# EAGLE board Mk4 Final Panel 8up 4x2 (EAGLE 9.0.1), part 10 of 23
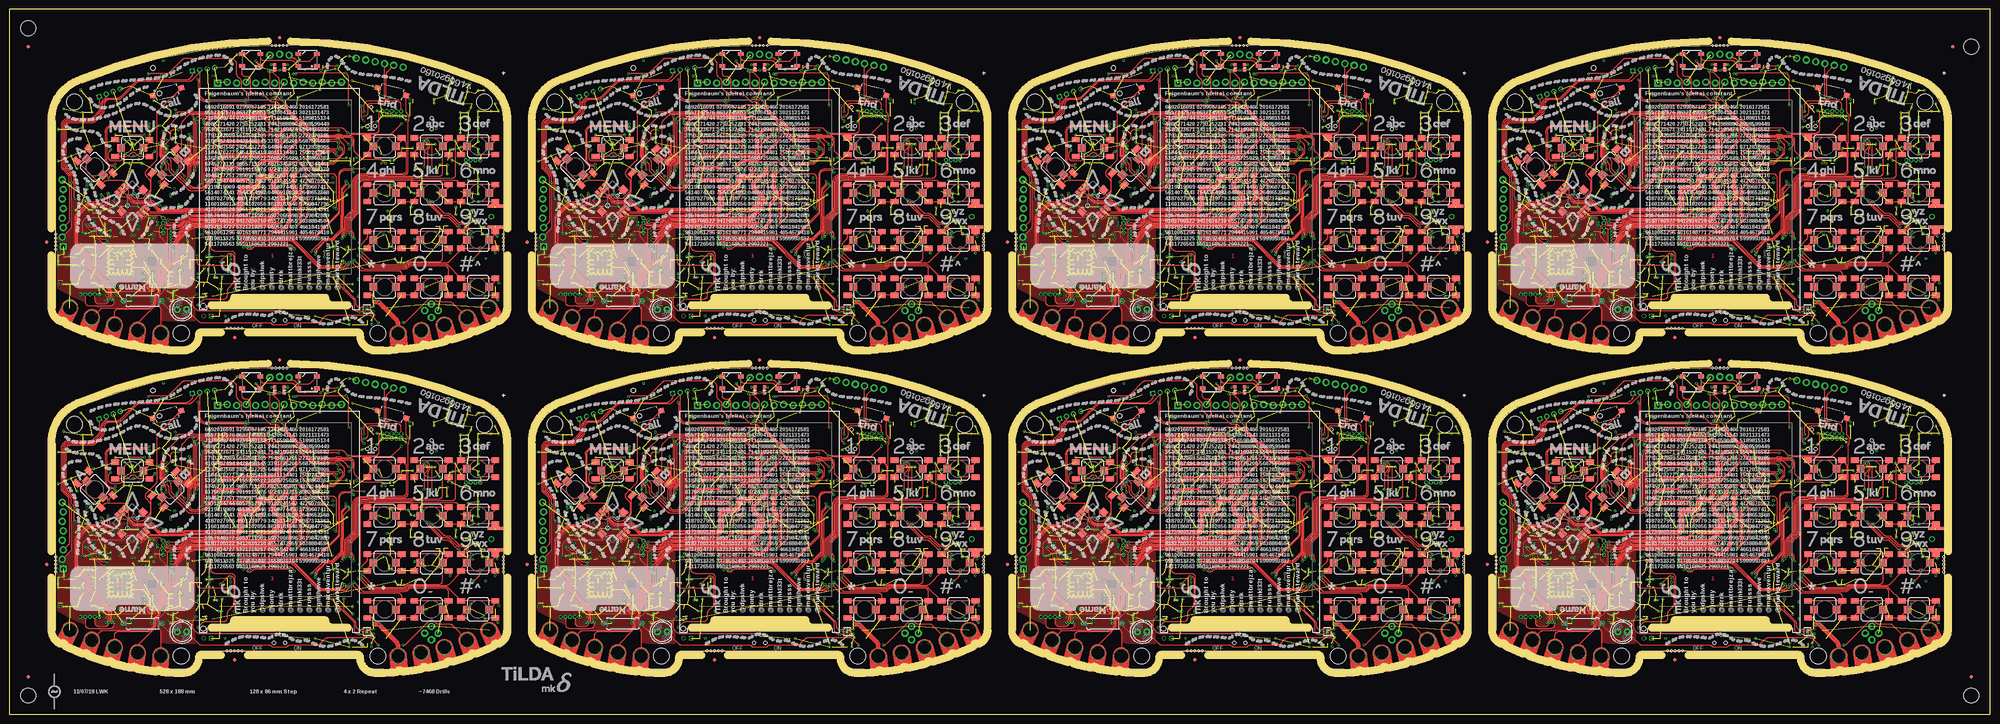
[diagram p0: board, top side]
## Tracks (layer width: path | path; a pad name or v marks a point on that pad's centre or on a via) (continued)
DCDC_PA_SW_N3 (continued)
  Bottom 0.3: 158.75,127.7 158.75,127.76 159,128.01 159,130 159.1,130.1
  Bottom 0.5: 159.1,130.1 159.1,131.59 arc45 158.95,131.95 158.3,132.6 L35.1
DCDC_PA_SW_N4
  Bottom 0.25: IC83.41 285.75,40.29 arc-45 286.04,40.99 286.75,41.7
  Bottom 0.3: 286.75,41.7 286.75,41.76 287,42.01 287,44 287.1,44.1
  Bottom 0.5: 287.1,44.1 287.1,45.59 arc45 286.95,45.95 286.3,46.6 L44.1
DCDC_PA_SW_N5
  Bottom 0.25: IC101.41 413.75,40.29 arc-45 414.04,40.99 414.75,41.7
  Bottom 0.3: 414.75,41.7 414.75,41.76 415,42.01 415,44 415.1,44.1
  Bottom 0.5: 415.1,44.1 415.1,45.59 arc45 414.95,45.95 414.3,46.6 L53.1
DCDC_PA_SW_N6
  Bottom 0.25: IC119.41 285.75,126.29 arc-45 286.04,126.99 286.75,127.7
  Bottom 0.3: 286.75,127.7 286.75,127.76 287,128.01 287,130 287.1,130.1
  Bottom 0.5: 287.1,130.1 287.1,131.59 arc45 286.95,131.95 286.3,132.6 L62.1
DCDC_PA_SW_N7
  Bottom 0.25: IC137.41 413.75,126.29 arc-45 414.04,126.99 414.75,127.7
  Bottom 0.3: 414.75,127.7 414.75,127.76 415,128.01 415,130 415.1,130.1
  Bottom 0.5: 415.1,130.1 415.1,131.59 arc45 414.95,131.95 414.3,132.6 L71.1
DCDC_PA_SW_P
  Bottom 0.25: IC15.40 29.25,40.55 arc-45 29.54,41.26 30.25,41.97 30.45,42.17
  Bottom 0.4: L8.2 30.45,44.4 30.45,42.17
DCDC_PA_SW_P1
  Bottom 0.25: IC29.40 157.25,40.55 arc-45 157.54,41.26 158.45,42.17
  Bottom 0.4: L17.2 158.45,44.4 158.45,42.17
DCDC_PA_SW_P2
  Bottom 0.25: IC47.40 29.25,126.55 arc-45 29.54,127.26 30.45,128.17
  Bottom 0.4: L26.2 30.45,130.4 30.45,128.17
DCDC_PA_SW_P3
  Bottom 0.25: IC65.40 157.25,126.55 arc-45 157.54,127.26 158.45,128.17
  Bottom 0.4: L35.2 158.45,130.4 158.45,128.17
DCDC_PA_SW_P4
  Bottom 0.25: IC83.40 285.25,40.55 arc-45 285.54,41.26 286.45,42.17
  Bottom 0.4: L44.2 286.45,44.4 286.45,42.17
DCDC_PA_SW_P5
  Bottom 0.25: IC101.40 413.25,40.55 arc-45 413.54,41.26 414.45,42.17
  Bottom 0.4: L53.2 414.45,44.4 414.45,42.17
DCDC_PA_SW_P6
  Bottom 0.25: IC119.40 285.25,126.55 arc-45 285.54,127.26 286.45,128.17
  Bottom 0.4: L62.2 286.45,130.4 286.45,128.17
DCDC_PA_SW_P7
  Bottom 0.25: IC137.40 413.25,126.55 arc-45 413.54,127.26 414.45,128.17
  Bottom 0.4: L71.2 414.45,130.4 414.45,128.17
EN0RXI_N
  Bottom 0.22: IC1.53 63.41,66.8 63.4,66.81 61.1,66.81 arc-90 58.81,69.1 58.81,69.3 58.81,76.8 arc-90 62.2,80.19 68.3,80.19 arc90 69.22,81.1 69.22,81.6 JP7.6
EN0RXI_N1
  Bottom 0.22: IC20.53 191.42,66.8 191.4,66.81 189.1,66.81 arc-90 186.81,69.1 186.81,76.8 arc-90 190.2,80.19 196.3,80.19 arc90 197.22,81.1 197.22,81.6 JP12.6
EN0RXI_N2
  Bottom 0.22: IC38.53 63.41,152.8 63.4,152.81 61.1,152.81 arc-90 58.81,155.1 58.81,162.8 arc-90 62.2,166.19 68.3,166.19 arc90 69.22,167.1 69.22,167.6 JP21.6
EN0RXI_N3
  Bottom 0.22: IC56.53 191.42,152.8 191.4,152.81 189.1,152.81 arc-90 186.81,155.1 186.81,162.8 arc-90 190.2,166.19 196.3,166.19 arc90 197.22,167.1 197.22,167.6 JP30.6
EN0RXI_N4
  Bottom 0.22: IC74.53 319.41,66.8 319.4,66.81 317.1,66.81 arc-90 314.81,69.1 314.81,76.8 arc-90 318.2,80.19 324.3,80.19 arc90 325.22,81.1 325.22,81.6 JP39.6
EN0RXI_N5
  Bottom 0.22: IC92.53 447.42,66.8 447.4,66.81 445.1,66.81 arc-90 442.81,69.1 442.81,76.8 arc-90 446.2,80.19 452.3,80.19 arc90 453.21,81.1 453.21,81.6 JP48.6
EN0RXI_N6
  Bottom 0.22: IC110.53 319.41,152.8 319.4,152.81 317.1,152.81 arc-90 314.81,155.1 314.81,162.8 arc-90 318.2,166.19 324.3,166.19 arc90 325.22,167.1 325.22,167.6 JP57.6
EN0RXI_N7
  Bottom 0.22: IC128.53 447.42,152.8 447.4,152.81 445.1,152.81 arc-90 442.81,155.1 442.81,162.8 arc-90 446.2,166.19 452.3,166.19 arc90 453.21,167.1 453.21,167.6 JP66.6
EN0RXI_P
  Bottom 0.22: IC1.54 63.41,67.2 63.4,67.19 61.1,67.19 arc-90 59.19,69.1 59.19,69.28 59.19,69.3 59.19,76.8 arc-90 62.2,79.81 68.3,79.81 arc90 69.58,81.1 69.58,81.23 JP7.7
EN0RXI_P1
  Bottom 0.22: IC20.54 191.42,67.2 191.4,67.19 189.1,67.19 arc-90 187.19,69.1 187.19,76.8 arc-90 190.2,79.81 196.3,79.81 arc90 197.58,81.1 197.58,81.23 JP12.7
EN0RXI_P2
  Bottom 0.22: IC38.54 63.41,153.2 63.4,153.19 61.1,153.19 arc-90 59.19,155.1 59.19,162.8 arc-90 62.2,165.81 68.3,165.81 arc90 69.58,167.1 69.58,167.23 JP21.7
EN0RXI_P3
  Bottom 0.22: IC56.54 191.42,153.2 191.4,153.19 189.1,153.19 arc-90 187.19,155.1 187.19,162.8 arc-90 190.2,165.81 196.3,165.81 arc90 197.58,167.1 197.58,167.23 JP30.7
EN0RXI_P4
  Bottom 0.22: IC74.54 319.41,67.2 319.4,67.19 317.1,67.19 arc-90 315.19,69.1 315.19,76.8 arc-90 318.2,79.81 324.3,79.81 arc90 325.59,81.1 325.59,81.23 JP39.7
EN0RXI_P5
  Bottom 0.22: IC92.54 447.42,67.2 447.4,67.19 445.1,67.19 arc-90 443.19,69.1 443.19,76.8 arc-90 446.2,79.81 452.3,79.81 arc90 453.58,81.1 453.58,81.23 JP48.7
EN0RXI_P6
  Bottom 0.22: IC110.54 319.41,153.2 319.4,153.19 317.1,153.19 arc-90 315.19,155.1 315.19,162.8 arc-90 318.2,165.81 324.3,165.81 arc90 325.59,167.1 325.59,167.23 JP57.7
EN0RXI_P7
  Bottom 0.22: IC128.54 447.42,153.2 447.4,153.19 445.1,153.19 arc-90 443.19,155.1 443.19,162.8 arc-90 446.2,165.81 452.3,165.81 arc90 453.58,167.1 453.58,167.23 JP66.7
EN0TXO_N
  Bottom 0.22: IC1.56 63.41,68 63.4,68.02 61.25,68.02 arc-90 59.87,69.4 59.87,76.45 arc-90 62.6,79.19 68.61,79.19 arc45 69.32,79.48 70.53,80.69 arc-45 71.24,80.98 78.36,80.98 arc-45 79.07,80.69 80.03,79.73 arc45 80.74,79.44 83.15,79.44 arc90 84.52,80.8 84.52,81.54 JP7.12
EN0TXO_N1
  Bottom 0.22: IC20.56 191.42,68 191.4,68.02 189.25,68.02 arc-90 187.87,69.4 187.87,76.45 arc-90 190.6,79.19 196.61,79.19 arc45 197.32,79.48 198.53,80.69 arc-45 199.24,80.98 206.36,80.98 arc-45 207.07,80.69 208.03,79.73 arc45 208.74,79.44 211.15,79.44 arc90 212.51,80.8 212.51,81.54 JP12.12
EN0TXO_N2
  Bottom 0.22: IC38.56 63.41,154 63.4,154.01 61.25,154.01 arc-90 59.87,155.4 59.87,162.45 arc-90 62.6,165.19 68.61,165.19 arc45 69.32,165.48 70.53,166.69 arc-45 71.24,166.99 78.36,166.99 arc-45 79.07,166.69 80.03,165.73 arc45 80.74,165.44 83.15,165.44 arc90 84.52,166.8 84.52,167.54 JP21.12
EN0TXO_N3
  Bottom 0.22: IC56.56 191.42,154 191.4,154.01 189.25,154.01 arc-90 187.87,155.4 187.87,162.45 arc-90 190.6,165.19 196.61,165.19 arc45 197.32,165.48 198.53,166.69 arc-45 199.24,166.99 206.36,166.99 arc-45 207.07,166.69 208.03,165.73 arc45 208.74,165.44 211.15,165.44 arc90 212.51,166.8 212.51,167.54 JP30.12
EN0TXO_N4
  Bottom 0.22: IC74.56 319.41,68 319.4,68.02 317.25,68.02 arc-90 315.87,69.4 315.87,76.45 arc-90 318.6,79.19 324.61,79.19 arc45 325.32,79.48 326.53,80.69 arc-45 327.24,80.98 334.36,80.98 arc-45 335.07,80.69 336.03,79.73 arc45 336.74,79.44 339.15,79.44 arc90 340.51,80.8 340.51,81.54 JP39.12
EN0TXO_N5
  Bottom 0.22: IC92.56 447.42,68 447.4,68.02 445.25,68.02 arc-90 443.87,69.4 443.87,76.45 arc-90 446.6,79.19 452.61,79.19 arc45 453.32,79.48 454.53,80.69 arc-45 455.24,80.98 462.36,80.98 arc-45 463.07,80.69 464.03,79.73 arc45 464.74,79.44 467.15,79.44 arc90 468.51,80.8 468.51,81.54 JP48.12
EN0TXO_N6
  Bottom 0.22: IC110.56 319.41,154 319.4,154.01 317.25,154.01 arc-90 315.87,155.4 315.87,162.45 arc-90 318.6,165.19 324.61,165.19 arc45 325.32,165.48 326.53,166.69 arc-45 327.24,166.99 334.36,166.99 arc-45 335.07,166.69 336.03,165.73 arc45 336.74,165.44 339.15,165.44 arc90 340.51,166.8 340.51,167.54 JP57.12
EN0TXO_N7
  Bottom 0.22: IC128.56 447.42,154 447.4,154.01 445.25,154.01 arc-90 443.87,155.4 443.87,162.45 arc-90 446.6,165.19 452.61,165.19 arc45 453.32,165.48 454.53,166.69 arc-45 455.24,166.99 462.36,166.99 arc-45 463.07,166.69 464.03,165.73 arc45 464.74,165.44 467.15,165.44 arc90 468.51,166.8 468.51,167.54 JP66.12
EN0TXO_P
  Bottom 0.22: IC1.57 63.41,68.4 63.4,68.38 61.25,68.38 arc-90 60.23,69.4 60.23,69.9 60.23,70 60.23,70.08 60.23,76.45 arc-90 62.6,78.81 68.76,78.81 arc45 69.47,79.11 70.68,80.32 arc-45 71.39,80.61 78.21,80.61 arc-45 78.92,80.32 79.88,79.36 arc45 80.59,79.06 83.15,79.06 arc90 84.89,80.8 84.89,81.29 JP7.13
EN0TXO_P1
  Bottom 0.22: IC20.57 191.42,68.4 191.4,68.38 189.25,68.38 arc-90 188.24,69.4 188.24,76.45 arc-90 190.6,78.81 196.76,78.81 arc45 197.47,79.11 198.68,80.32 arc-45 199.39,80.61 206.21,80.61 arc-45 206.92,80.32 207.88,79.36 arc45 208.59,79.06 211.15,79.06 arc90 212.88,80.8 212.88,81.29 JP12.13
EN0TXO_P2
  Bottom 0.22: IC38.57 63.41,154.4 63.4,154.38 61.25,154.38 arc-90 60.23,155.4 60.23,162.45 arc-90 62.6,164.81 68.76,164.81 arc45 69.47,165.11 70.68,166.32 arc-45 71.39,166.62 78.21,166.62 arc-45 78.92,166.32 79.88,165.36 arc45 80.59,165.06 83.15,165.06 arc90 84.89,166.8 84.89,167.29 JP21.13
EN0TXO_P3
  Bottom 0.22: IC56.57 191.42,154.4 191.4,154.38 189.25,154.38 arc-90 188.24,155.4 188.24,162.45 arc-90 190.6,164.81 196.76,164.81 arc45 197.47,165.11 198.68,166.32 arc-45 199.39,166.62 206.21,166.62 arc-45 206.92,166.32 207.88,165.36 arc45 208.59,165.06 211.15,165.06 arc90 212.88,166.8 212.88,167.29 JP30.13
EN0TXO_P4
  Bottom 0.22: IC74.57 319.41,68.4 319.4,68.38 317.25,68.38 arc-90 316.24,69.4 316.24,76.45 arc-90 318.6,78.81 324.76,78.81 arc45 325.47,79.11 326.68,80.32 arc-45 327.39,80.61 334.21,80.61 arc-45 334.92,80.32 335.88,79.36 arc45 336.59,79.06 339.15,79.06 arc90 340.88,80.8 340.88,81.29 JP39.13
EN0TXO_P5
  Bottom 0.22: IC92.57 447.42,68.4 447.4,68.38 445.25,68.38 arc-90 444.24,69.4 444.24,76.45 arc-90 446.6,78.81 452.76,78.81 arc45 453.47,79.11 454.68,80.32 arc-45 455.39,80.61 462.21,80.61 arc-45 462.92,80.32 463.88,79.36 arc45 464.59,79.06 467.15,79.06 arc90 468.88,80.8 468.88,81.29 JP48.13
EN0TXO_P6
  Bottom 0.22: IC110.57 319.41,154.4 319.4,154.38 317.25,154.38 arc-90 316.24,155.4 316.24,162.45 arc-90 318.6,164.81 324.76,164.81 arc45 325.47,165.11 326.68,166.32 arc-45 327.39,166.62 334.21,166.62 arc-45 334.92,166.32 335.88,165.36 arc45 336.59,165.06 339.15,165.06 arc90 340.88,166.8 340.88,167.29 JP57.13
EN0TXO_P7
  Bottom 0.22: IC128.57 447.42,154.4 447.4,154.38 445.25,154.38 arc-90 444.24,155.4 444.24,162.45 arc-90 446.6,164.81 452.76,164.81 arc45 453.47,165.11 454.68,166.32 arc-45 455.39,166.62 462.21,166.62 arc-45 462.92,166.32 463.88,165.36 arc45 464.59,165.06 467.15,165.06 arc90 468.88,166.8 468.88,167.29 JP66.13
ETHLED0
  Bottom 0.15: R1.2 56.5,78.51 arc45 56.79,77.81 57.51,77.09 arc-45 57.8,76.39 57.8,73.94 57.89,73.85 arc-90 57.89,73.15 57.8,73.06 57.8,69.19 57.89,69.1 arc-90 57.89,68.4 57.8,68.31 57.8,66.11 arc45 58.09,65.41 58.61,64.89 arc-45 58.9,64.19 58.9,63.4 arc90 59.9,62.4 IC1.42
ETHLED0_R
  Bottom 0.15: R1.1 arc-90 57.5,81 59.09,81 arc45 59.79,81.29 60.57,82.07 JP7.3
ETHLED0_R1
  Bottom 0.15: R85.1 arc-90 185.5,81 187.09,81 arc45 187.79,81.29 188.57,82.07 JP12.3
ETHLED0_R2
  Bottom 0.15: R163.1 arc-90 57.5,167 59.09,167 arc45 59.79,167.29 60.57,168.07 JP21.3
ETHLED0_R3
  Bottom 0.15: R241.1 arc-90 185.5,167 187.09,167 arc45 187.79,167.29 188.57,168.07 JP30.3
ETHLED0_R4
  Bottom 0.15: R319.1 arc-90 313.5,81 315.09,81 arc45 315.79,81.29 316.57,82.07 JP39.3
ETHLED0_R5
  Bottom 0.15: R397.1 arc-90 441.5,81 443.09,81 arc45 443.79,81.29 444.57,82.07 JP48.3
ETHLED0_R6
  Bottom 0.15: R475.1 arc-90 313.5,167 315.09,167 arc45 315.79,167.29 316.57,168.07 JP57.3
ETHLED0_R7
  Bottom 0.15: R553.1 arc-90 441.5,167 443.09,167 arc45 443.79,167.29 444.57,168.07 JP66.3
ETHLED1
  Bottom 0.15: R2.2 57.5,78.01 arc45 57.79,77.31 57.81,77.29 arc-45 58.1,76.59 58.1,74.07 58.14,74.03 arc-90 58.14,72.97 58.1,72.93 58.1,69.32 58.14,69.28 arc-90 58.14,68.22 58.1,68.18 58.1,66.31 arc45 58.39,65.61 59.01,64.99 arc-45 59.3,64.29 59.3,63.8 arc90 60.3,62.8 IC1.43
ETHLED1_R
  Bottom 0.15: R2.1 57.5,80.2 arc-90 58,80.7 59.42,80.7 arc45 59.77,80.85 59.78,80.85 arc-45 60.13,81 64.09,81 arc45 64.79,81.29 65.65,82.15 JP7.5
ETHLED1_R1
  Bottom 0.15: R86.1 185.5,80.2 arc-90 186,80.7 187.42,80.7 arc45 187.77,80.85 187.78,80.85 arc-45 188.13,81 192.09,81 arc45 192.79,81.29 193.65,82.15 JP12.5
ETHLED1_R2
  Bottom 0.15: R164.1 57.5,166.2 arc-90 58,166.7 59.42,166.7 arc45 59.77,166.85 59.78,166.85 arc-45 60.13,167 64.09,167 arc45 64.79,167.29 65.65,168.15 JP21.5
ETHLED1_R3
  Bottom 0.15: R242.1 185.5,166.2 arc-90 186,166.7 187.42,166.7 arc45 187.77,166.85 187.78,166.85 arc-45 188.13,167 192.09,167 arc45 192.79,167.29 193.65,168.15 JP30.5
ETHLED1_R4
  Bottom 0.15: R320.1 313.5,80.2 arc-90 314,80.7 315.42,80.7 arc45 315.77,80.85 315.78,80.85 arc-45 316.13,81 320.09,81 arc45 320.79,81.29 321.65,82.15 JP39.5
ETHLED1_R5
  Bottom 0.15: R398.1 441.5,80.2 arc-90 442,80.7 443.42,80.7 arc45 443.77,80.85 443.78,80.85 arc-45 444.13,81 448.09,81 arc45 448.79,81.29 449.65,82.15 JP48.5
ETHLED1_R6
  Bottom 0.15: R476.1 313.5,166.2 arc-90 314,166.7 315.42,166.7 arc45 315.77,166.85 315.78,166.85 arc-45 316.13,167 320.09,167 arc45 320.79,167.29 321.65,168.15 JP57.5
ETHLED1_R7
  Bottom 0.15: R554.1 441.5,166.2 arc-90 442,166.7 443.42,166.7 arc45 443.77,166.85 443.78,166.85 arc-45 444.13,167 448.09,167 arc45 448.79,167.29 449.65,168.15 JP66.5
ETHLED2
  Bottom 0.15: R85.2 184.5,78.51 arc45 184.79,77.81 185.51,77.09 arc-45 185.8,76.39 185.8,73.94 185.89,73.85 arc-90 185.89,73.15 185.8,73.06 185.8,69.19 185.89,69.1 arc-90 185.89,68.4 185.8,68.31 185.8,66.11 arc45 186.09,65.41 186.61,64.89 arc-45 186.9,64.19 186.9,63.4 arc90 187.9,62.4 IC20.42
ETHLED3
  Bottom 0.15: R86.2 185.5,78.01 arc45 185.79,77.31 185.81,77.29 arc-45 186.1,76.59 186.1,74.07 186.14,74.03 arc-90 186.14,72.97 186.1,72.93 186.1,69.32 186.14,69.28 arc-90 186.14,68.22 186.1,68.18 186.1,66.31 arc45 186.39,65.61 187.01,64.99 arc-45 187.3,64.29 187.3,63.8 arc90 188.3,62.8 IC20.43
ETHLED4
  Bottom 0.15: R163.2 56.5,164.51 arc45 56.79,163.81 57.51,163.09 arc-45 57.8,162.39 57.8,159.94 57.89,159.85 arc-90 57.89,159.15 57.8,159.06 57.8,155.19 57.89,155.1 arc-90 57.89,154.4 57.8,154.31 57.8,152.11 arc45 58.09,151.41 58.61,150.89 arc-45 58.9,150.19 58.9,149.4 arc90 59.9,148.4 IC38.42
ETHLED5
  Bottom 0.15: R164.2 57.5,164.01 arc45 57.79,163.31 57.81,163.29 arc-45 58.1,162.59 58.1,160.07 58.14,160.03 arc-90 58.14,158.97 58.1,158.93 58.1,155.32 58.14,155.28 arc-90 58.14,154.22 58.1,154.18 58.1,152.31 arc45 58.39,151.61 59.01,150.99 arc-45 59.3,150.29 59.3,149.8 arc90 60.3,148.8 IC38.43
ETHLED6
  Bottom 0.15: R241.2 184.5,164.51 arc45 184.79,163.81 185.51,163.09 arc-45 185.8,162.39 185.8,159.94 185.89,159.85 arc-90 185.89,159.15 185.8,159.06 185.8,155.19 185.89,155.1 arc-90 185.89,154.4 185.8,154.31 185.8,152.11 arc45 186.09,151.41 186.61,150.89 arc-45 186.9,150.19 186.9,149.4 arc90 187.9,148.4 IC56.42
ETHLED7
  Bottom 0.15: R242.2 185.5,164.01 arc45 185.79,163.31 185.81,163.29 arc-45 186.1,162.59 186.1,160.07 186.14,160.03 arc-90 186.14,158.97 186.1,158.93 186.1,155.32 186.14,155.28 arc-90 186.14,154.22 186.1,154.18 186.1,152.31 arc45 186.39,151.61 187.01,150.99 arc-45 187.3,150.29 187.3,149.8 arc90 188.3,148.8 IC56.43
ETHLED8
  Bottom 0.15: R319.2 312.5,78.51 arc45 312.79,77.81 313.51,77.09 arc-45 313.8,76.39 313.8,73.94 313.89,73.85 arc-90 313.89,73.15 313.8,73.06 313.8,69.19 313.89,69.1 arc-90 313.89,68.4 313.8,68.31 313.8,66.11 arc45 314.09,65.41 314.61,64.89 arc-45 314.9,64.19 314.9,63.4 arc90 315.9,62.4 IC74.42
ETHLED9
  Bottom 0.15: R320.2 313.5,78.01 arc45 313.79,77.31 313.81,77.29 arc-45 314.1,76.59 314.1,74.07 314.14,74.03 arc-90 314.14,72.97 314.1,72.93 314.1,69.32 314.14,69.28 arc-90 314.14,68.22 314.1,68.18 314.1,66.31 arc45 314.39,65.61 315.01,64.99 arc-45 315.3,64.29 315.3,63.8 arc90 316.3,62.8 IC74.43
ETHLED10
  Bottom 0.15: R397.2 440.5,78.51 arc45 440.79,77.81 441.51,77.09 arc-45 441.8,76.39 441.8,73.94 441.89,73.85 arc-90 441.89,73.15 441.8,73.06 441.8,69.19 441.89,69.1 arc-90 441.89,68.4 441.8,68.31 441.8,66.11 arc45 442.09,65.41 442.61,64.89 arc-45 442.9,64.19 442.9,63.4 arc90 443.9,62.4 IC92.42
ETHLED11
  Bottom 0.15: R398.2 441.5,78.01 arc45 441.79,77.31 441.81,77.29 arc-45 442.1,76.59 442.1,74.07 442.14,74.03 arc-90 442.14,72.97 442.1,72.93 442.1,69.32 442.14,69.28 arc-90 442.14,68.22 442.1,68.18 442.1,66.31 arc45 442.39,65.61 443.01,64.99 arc-45 443.3,64.29 443.3,63.8 arc90 444.3,62.8 IC92.43
ETHLED12
  Bottom 0.15: R475.2 312.5,164.51 arc45 312.79,163.81 313.51,163.09 arc-45 313.8,162.39 313.8,159.94 313.89,159.85 arc-90 313.89,159.15 313.8,159.06 313.8,155.19 313.89,155.1 arc-90 313.89,154.4 313.8,154.31 313.8,152.11 arc45 314.09,151.41 314.61,150.89 arc-45 314.9,150.19 314.9,149.4 arc90 315.9,148.4 IC110.42
ETHLED13
  Bottom 0.15: R476.2 313.5,164.01 arc45 313.79,163.31 313.81,163.29 arc-45 314.1,162.59 314.1,160.07 314.14,160.03 arc-90 314.14,158.97 314.1,158.93 314.1,155.32 314.14,155.28 arc-90 314.14,154.22 314.1,154.18 314.1,152.31 arc45 314.39,151.61 315.01,150.99 arc-45 315.3,150.29 315.3,149.8 arc90 316.3,148.8 IC110.43
ETHLED14
  Bottom 0.15: R553.2 440.5,164.51 arc45 440.79,163.81 441.51,163.09 arc-45 441.8,162.39 441.8,159.94 441.89,159.85 arc-90 441.89,159.15 441.8,159.06 441.8,155.19 441.89,155.1 arc-90 441.89,154.4 441.8,154.31 441.8,152.11 arc45 442.09,151.41 442.61,150.89 arc-45 442.9,150.19 442.9,149.4 arc90 443.9,148.4 IC128.42
ETHLED15
  Bottom 0.15: R554.2 441.5,164.01 arc45 441.79,163.31 441.81,163.29 arc-45 442.1,162.59 442.1,160.07 442.14,160.03 arc-90 442.14,158.97 442.1,158.93 442.1,155.32 442.14,155.28 arc-90 442.14,154.22 442.1,154.18 442.1,152.31 arc45 442.39,151.61 443.01,150.99 arc-45 443.3,150.29 443.3,149.8 arc90 444.3,148.8 IC128.43
FET
  Bottom 0.15: IC1.110 80.78,66 arc45 80.85,66.03 81.09,66.27 arc-45 81.17,66.3 83.58,66.3 arc-90 85.58,64.3 85.58,62.38 arc45 85.72,62.02 85.88,61.86 arc-45 86.03,61.51 86.03,61.25 arc45 86.32,60.54 95.23,51.63 arc-45 95.5,50.98 95.5,50
  Bottom 0.2: R59.1 115.41,25.25 arc-45 114.71,25.54 106.79,33.46 arc45 106.09,33.75 101.11,33.75 arc-45 100.41,34.04 95.79,38.66 arc-45 95.5,39.36 95.5,50
  Bottom 0.3: Q2.1 116.92,25.25 R59.1
FET1
  Bottom 0.15: IC20.110 208.78,66 arc45 208.85,66.03 209.09,66.27 arc-45 209.17,66.3 211.57,66.3 arc-90 213.57,64.3 213.57,62.38 arc45 213.72,62.02 213.88,61.86 arc-45 214.03,61.51 214.03,61.25 arc45 214.32,60.54 223.23,51.63 arc-45 223.5,50.98 223.5,50
  Bottom 0.2: R137.1 243.41,25.25 arc-45 242.71,25.54 234.79,33.46 arc45 234.09,33.75 229.11,33.75 arc-45 228.41,34.04 223.79,38.66 arc-45 223.5,39.36 223.5,50
  Bottom 0.3: Q5.1 244.93,25.25 R137.1
FET2
  Bottom 0.15: IC38.110 80.78,152 arc45 80.85,152.03 81.09,152.27 arc-45 81.17,152.3 83.58,152.3 arc-90 85.58,150.3 85.58,148.38 arc45 85.72,148.02 85.88,147.86 arc-45 86.03,147.51 86.03,147.25 arc45 86.32,146.54 95.23,137.63 arc-45 95.5,136.98 95.5,136
  Bottom 0.2: R215.1 115.41,111.25 arc-45 114.71,111.54 106.79,119.46 arc45 106.09,119.75 101.11,119.75 arc-45 100.41,120.04 95.79,124.66 arc-45 95.5,125.36 95.5,136
  Bottom 0.3: Q10.1 116.92,111.25 R215.1
FET3
  Bottom 0.15: IC56.110 208.78,152 arc45 208.85,152.03 209.09,152.27 arc-45 209.17,152.3 211.57,152.3 arc-90 213.57,150.3 213.57,148.38 arc45 213.72,148.02 213.88,147.86 arc-45 214.03,147.51 214.03,147.25 arc45 214.32,146.54 223.23,137.63 arc-45 223.5,136.98 223.5,136
  Bottom 0.2: R293.1 243.41,111.25 arc-45 242.71,111.54 234.79,119.46 arc45 234.09,119.75 229.11,119.75 arc-45 228.41,120.04 223.79,124.66 arc-45 223.5,125.36 223.5,136
  Bottom 0.3: Q14.1 244.93,111.25 R293.1
FET4
  Bottom 0.15: IC74.110 336.78,66 arc45 336.85,66.03 337.1,66.27 arc-45 337.17,66.3 339.57,66.3 arc-90 341.57,64.3 341.57,62.38 arc45 341.72,62.02 341.88,61.86 arc-45 342.02,61.51 342.02,61.25 arc45 342.32,60.54 351.23,51.63 arc-45 351.5,50.98 351.5,50
  Bottom 0.2: R371.1 371.41,25.25 arc-45 370.71,25.54 362.79,33.46 arc45 362.09,33.75 357.11,33.75 arc-45 356.41,34.04 351.79,38.66 arc-45 351.5,39.36 351.5,50
  Bottom 0.3: Q18.1 372.93,25.25 R371.1
FET5
  Bottom 0.15: IC92.110 464.78,66 arc45 464.85,66.03 465.1,66.27 arc-45 465.17,66.3 467.57,66.3 arc-90 469.57,64.3 469.57,62.38 arc45 469.72,62.02 469.88,61.86 arc-45 470.02,61.51 470.02,61.25 arc45 470.32,60.54 479.23,51.63 arc-45 479.5,50.98 479.5,50
  Bottom 0.2: R449.1 499.41,25.25 arc-45 498.71,25.54 490.79,33.46 arc45 490.09,33.75 485.11,33.75 arc-45 484.41,34.04 479.79,38.66 arc-45 479.5,39.36 479.5,50
  Bottom 0.3: Q22.1 500.93,25.25 R449.1
FET6
  Bottom 0.15: IC110.110 336.78,152 arc45 336.85,152.03 337.1,152.27 arc-45 337.17,152.3 339.57,152.3 arc-90 341.57,150.3 341.57,148.38 arc45 341.72,148.02 341.88,147.86 arc-45 342.02,147.51 342.02,147.25 arc45 342.32,146.54 351.23,137.63 arc-45 351.5,136.98 351.5,136
  Bottom 0.2: R527.1 371.41,111.25 arc-45 370.71,111.54 362.79,119.46 arc45 362.09,119.75 357.11,119.75 arc-45 356.41,120.04 351.79,124.66 arc-45 351.5,125.36 351.5,136
  Bottom 0.3: Q26.1 372.93,111.25 R527.1
FET7
  Bottom 0.15: IC128.110 464.78,152 arc45 464.85,152.03 465.1,152.27 arc-45 465.17,152.3 467.57,152.3 arc-90 469.57,150.3 469.57,148.38 arc45 469.72,148.02 469.88,147.86 arc-45 470.02,147.51 470.02,147.25 arc45 470.32,146.54 479.23,137.63 arc-45 479.5,136.98 479.5,136
  Bottom 0.2: R605.1 499.41,111.25 arc-45 498.71,111.54 490.79,119.46 arc45 490.09,119.75 485.11,119.75 arc-45 484.41,120.04 479.79,124.66 arc-45 479.5,125.36 479.5,136
  Bottom 0.3: Q30.1 500.93,111.25 R605.1
FET_OUT  (via drill 0.3)
  Top 0.25: LED5.K 50.45,18.82 arc45 51.16,18.52 69.11,18.52 arc-45 69.81,18.23 arc45 70.37,18 73.66,18 arc45 74.16,18.21 arc-45 74.87,18.5 82.09,18.5 arc45 82.79,18.79 84.21,20.21 arc-45 84.91,20.5 95.94,20.5 arc-45 96.64,20.21 v98.35,18.5 | v105,18.5 105.09,18.5 arc45 105.79,18.79 111.5,24.5 111.71,24.71 111.79,24.79 arc-90 113.21,24.79 113.71,24.29 arc45 114.41,24 117.4,24 arc-45 118.11,23.71 PCB.FET
  Bottom 0.25: v98.35,18.5 v105,18.5
  Bottom 0.4: Q2.3 118.92,23.3 arc45 119.22,22.59 120.91,20.91
  Bottom 0.5: 120.91,20.91 PCB.FET
FET_OUT1  (via drill 0.3)
  Top 0.25: LED11.K 178.45,18.82 arc45 179.16,18.52 197.11,18.52 arc-45 197.81,18.23 arc45 198.37,18 201.66,18 arc45 202.16,18.21 arc-45 202.87,18.5 210.09,18.5 arc45 210.79,18.79 212.21,20.21 arc-45 212.91,20.5 223.94,20.5 arc-45 224.64,20.21 v226.35,18.5 | v233,18.5 233.09,18.5 arc45 233.79,18.79 239.79,24.79 arc-90 241.21,24.79 241.71,24.29 arc45 242.41,24 245.4,24 arc-45 246.11,23.71 PCB1.FET
  Bottom 0.25: v226.35,18.5 v233,18.5
  Bottom 0.4: Q5.3 246.93,23.3 arc45 247.22,22.59 248.91,20.91
  Bottom 0.5: 248.91,20.91 PCB1.FET
FET_OUT2  (via drill 0.3)
  Top 0.25: LED17.K 50.45,104.82 arc45 51.16,104.53 69.11,104.53 arc-45 69.81,104.23 arc45 70.37,104 73.66,104 arc45 74.16,104.21 arc-45 74.87,104.5 82.09,104.5 arc45 82.79,104.79 84.21,106.21 arc-45 84.91,106.5 95.94,106.5 arc-45 96.64,106.21 v98.35,104.5 | v105,104.5 105.09,104.5 arc45 105.79,104.79 111.79,110.79 arc-90 113.21,110.79 113.71,110.29 arc45 114.41,110 117.4,110 arc-45 118.11,109.71 PCB2.FET
  Bottom 0.25: v98.35,104.5 v105,104.5
  Bottom 0.4: Q10.3 118.92,109.3 arc45 119.22,108.59 120.91,106.91
  Bottom 0.5: 120.91,106.91 PCB2.FET
FET_OUT3  (via drill 0.3)
  Top 0.25: LED23.K 178.45,104.82 arc45 179.16,104.53 197.11,104.53 arc-45 197.81,104.23 arc45 198.37,104 201.66,104 arc45 202.16,104.21 arc-45 202.87,104.5 210.09,104.5 arc45 210.79,104.79 212.21,106.21 arc-45 212.91,106.5 223.94,106.5 arc-45 224.64,106.21 v226.35,104.5 | v233,104.5 233.09,104.5 arc45 233.79,104.79 239.79,110.79 arc-90 241.21,110.79 241.71,110.29 arc45 242.41,110 245.4,110 arc-45 246.11,109.71 PCB3.FET
  Bottom 0.25: v226.35,104.5 v233,104.5
  Bottom 0.4: Q14.3 246.93,109.3 arc45 247.22,108.59 248.91,106.91
  Bottom 0.5: 248.91,106.91 PCB3.FET
FET_OUT4  (via drill 0.3)
  Top 0.25: LED29.K 306.45,18.82 arc45 307.16,18.52 325.11,18.52 arc-45 325.81,18.23 arc45 326.37,18 329.66,18 arc45 330.16,18.21 arc-45 330.87,18.5 338.09,18.5 arc45 338.79,18.79 340.21,20.21 arc-45 340.91,20.5 351.94,20.5 arc-45 352.64,20.21 v354.35,18.5 | v361,18.5 361.09,18.5 arc45 361.79,18.79 367.79,24.79 arc-90 369.21,24.79 369.71,24.29 arc45 370.41,24 373.4,24 arc-45 374.11,23.71 PCB4.FET
  Bottom 0.25: v354.35,18.5 v361,18.5
  Bottom 0.4: Q18.3 374.93,23.3 arc45 375.22,22.59 376.91,20.91
  Bottom 0.5: 376.91,20.91 PCB4.FET
FET_OUT5  (via drill 0.3)
  Top 0.25: LED35.K 434.45,18.82 arc45 435.16,18.52 453.11,18.52 arc-45 453.81,18.23 arc45 454.37,18 457.66,18 arc45 458.16,18.21 arc-45 458.87,18.5 466.09,18.5 arc45 466.79,18.79 468.21,20.21 arc-45 468.91,20.5 479.94,20.5 arc-45 480.64,20.21 v482.35,18.5 | v489,18.5 489.09,18.5 arc45 489.79,18.79 495.79,24.79 arc-90 497.21,24.79 497.71,24.29 arc45 498.41,24 501.4,24 arc-45 502.11,23.71 PCB5.FET
  Bottom 0.25: v482.35,18.5 v489,18.5
  Bottom 0.4: Q22.3 502.93,23.3 arc45 503.22,22.59 504.91,20.91
  Bottom 0.5: 504.91,20.91 PCB5.FET
FET_OUT6  (via drill 0.3)
  Top 0.25: LED41.K 306.45,104.82 arc45 307.16,104.53 325.11,104.53 arc-45 325.81,104.23 arc45 326.37,104 329.66,104 arc45 330.16,104.21 arc-45 330.87,104.5 338.09,104.5 arc45 338.79,104.79 340.21,106.21 arc-45 340.91,106.5 351.94,106.5 arc-45 352.64,106.21 v354.35,104.5 | v361,104.5 361.09,104.5 arc45 361.79,104.79 367.79,110.79 arc-90 369.21,110.79 369.71,110.29 arc45 370.41,110 373.4,110 arc-45 374.11,109.71 PCB6.FET
  Bottom 0.25: v354.35,104.5 v361,104.5
  Bottom 0.4: Q26.3 374.93,109.3 arc45 375.22,108.59 376.91,106.91
  Bottom 0.5: 376.91,106.91 PCB6.FET
FET_OUT7  (via drill 0.3)
  Top 0.25: LED47.K 434.45,104.82 arc45 435.16,104.53 453.11,104.53 arc-45 453.81,104.23 arc45 454.37,104 457.66,104 arc45 458.16,104.21 arc-45 458.87,104.5 466.09,104.5 arc45 466.79,104.79 468.21,106.21 arc-45 468.91,106.5 479.94,106.5 arc-45 480.64,106.21 v482.35,104.5 | v489,104.5 489.09,104.5 arc45 489.79,104.79 495.79,110.79 arc-90 497.21,110.79 497.71,110.29 arc45 498.41,110 501.4,110 arc-45 502.11,109.71 PCB7.FET